# Altium PCB RcMPPT-SCC.PcbDoc (part 1 of 2)
Units mm, origin at the board's own origin, x right, y up, seen from the top; angles counter-clockwise.
Board outline 99.06 x 55.88 mm, 4 copper layers (Top Layer, Mid Layer 1, Mid Layer 2, Bottom Layer), stack 1.531 mm thick; 116 components, 88 nets, 523 pads, 348 vias.
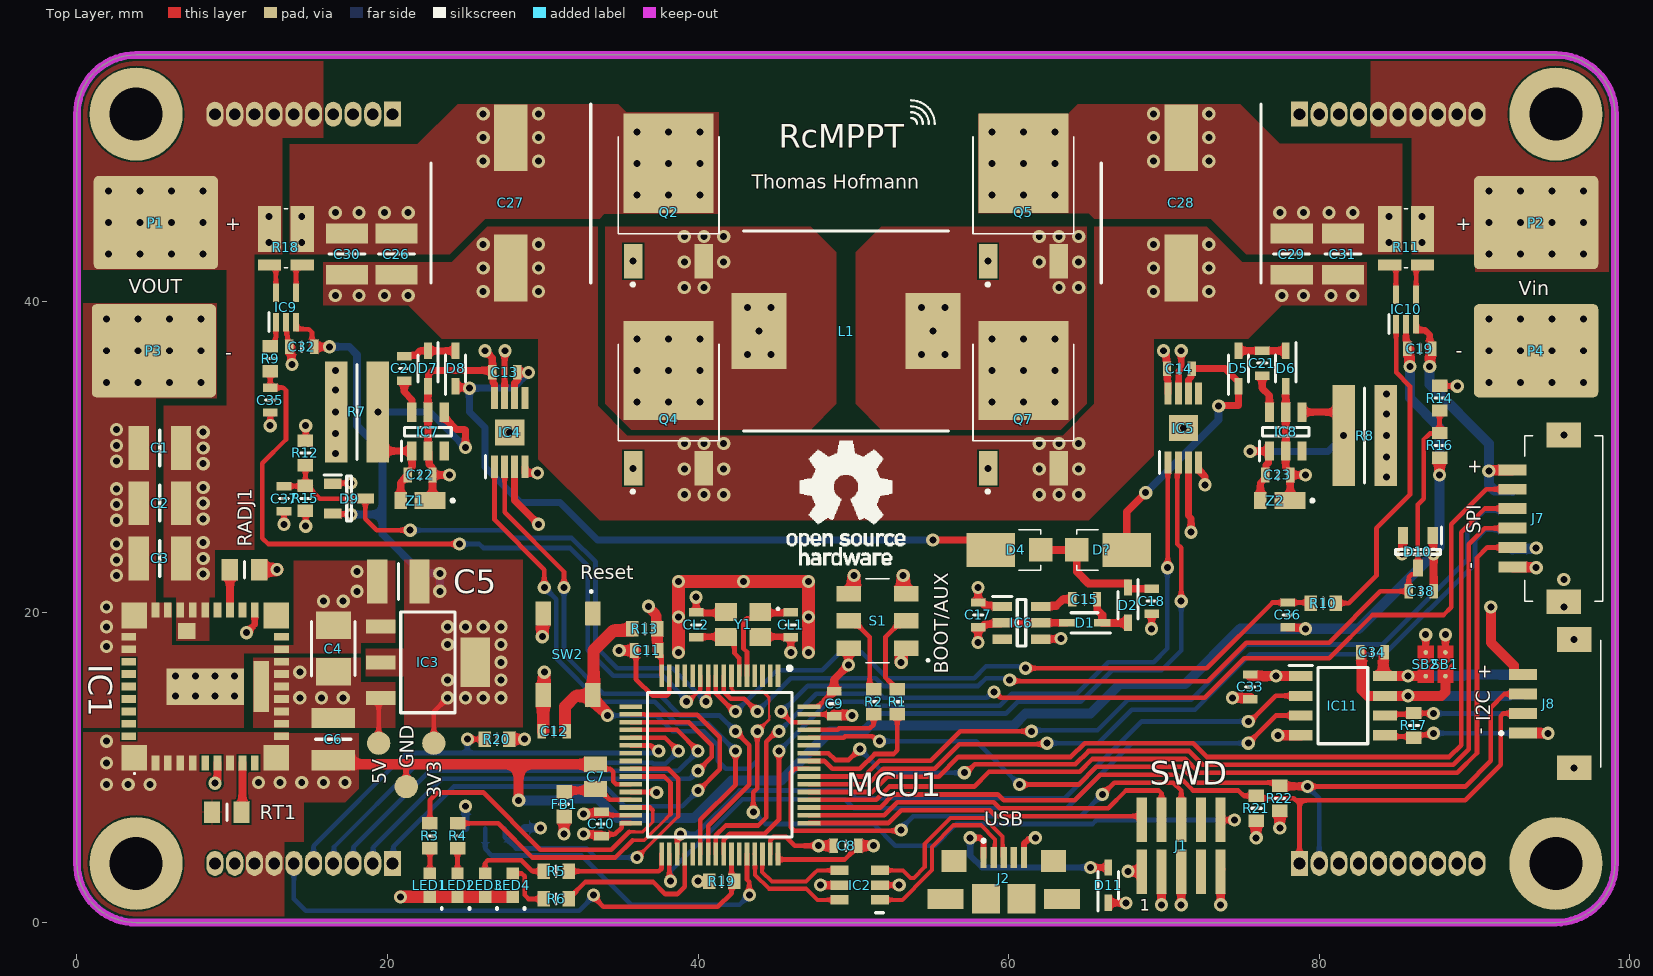
[diagram p0: Top Layer view]
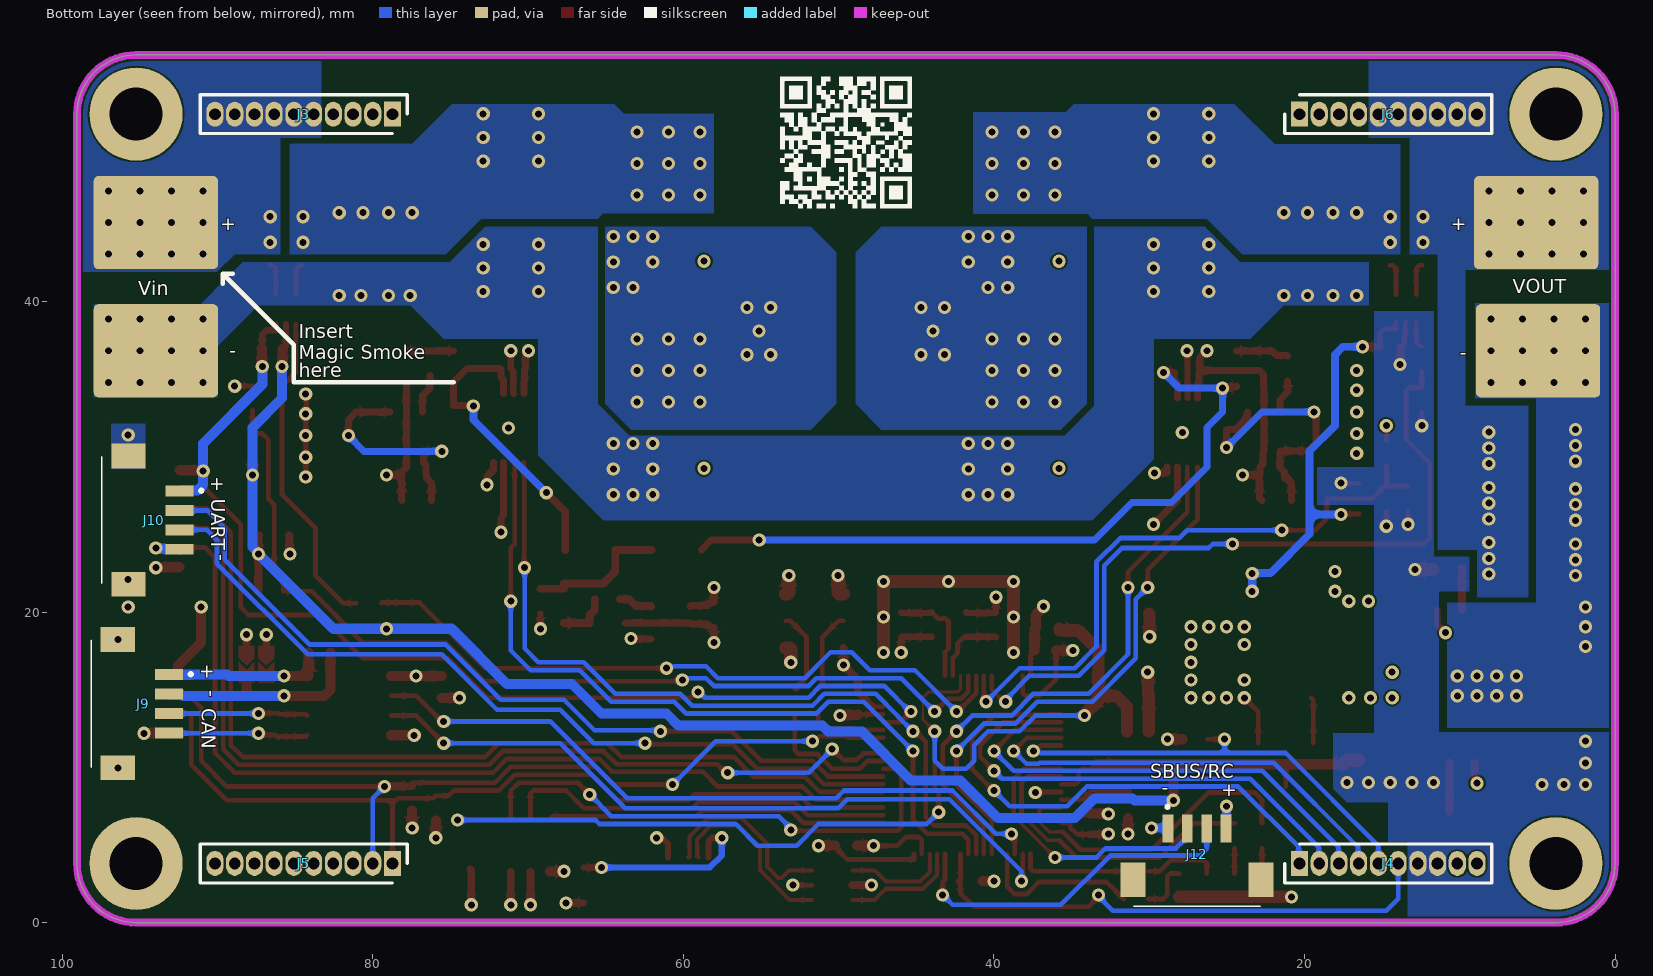
[diagram p1: Bottom Layer view, seen from below]
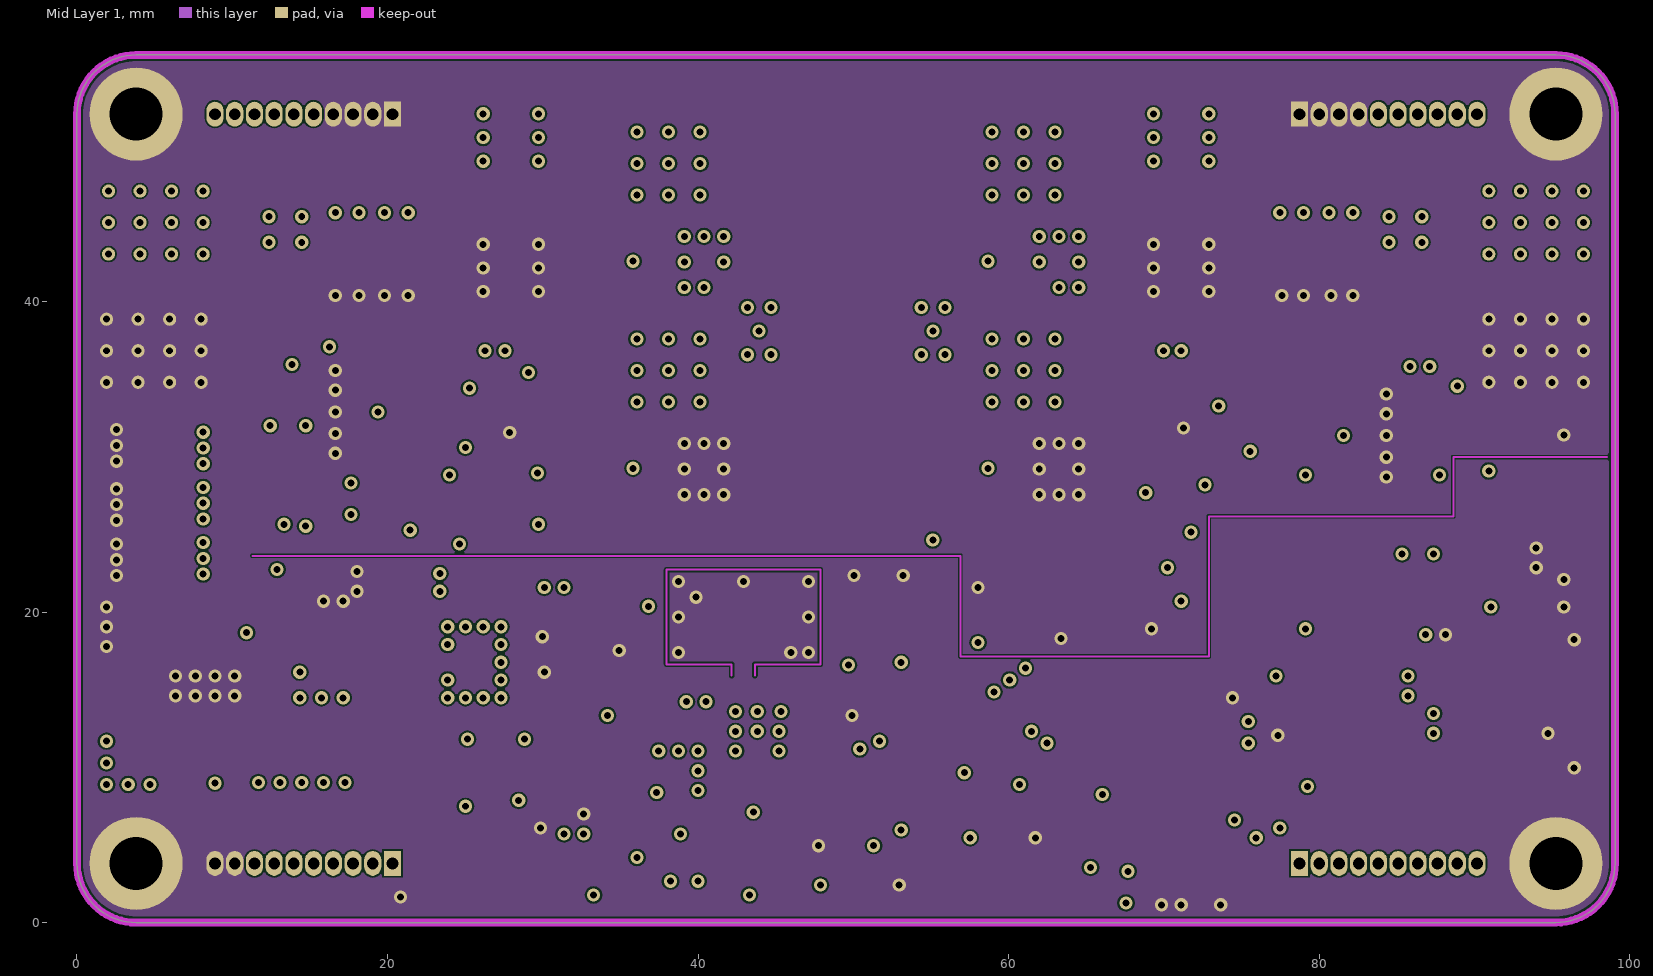
[diagram p2: Mid Layer 1]
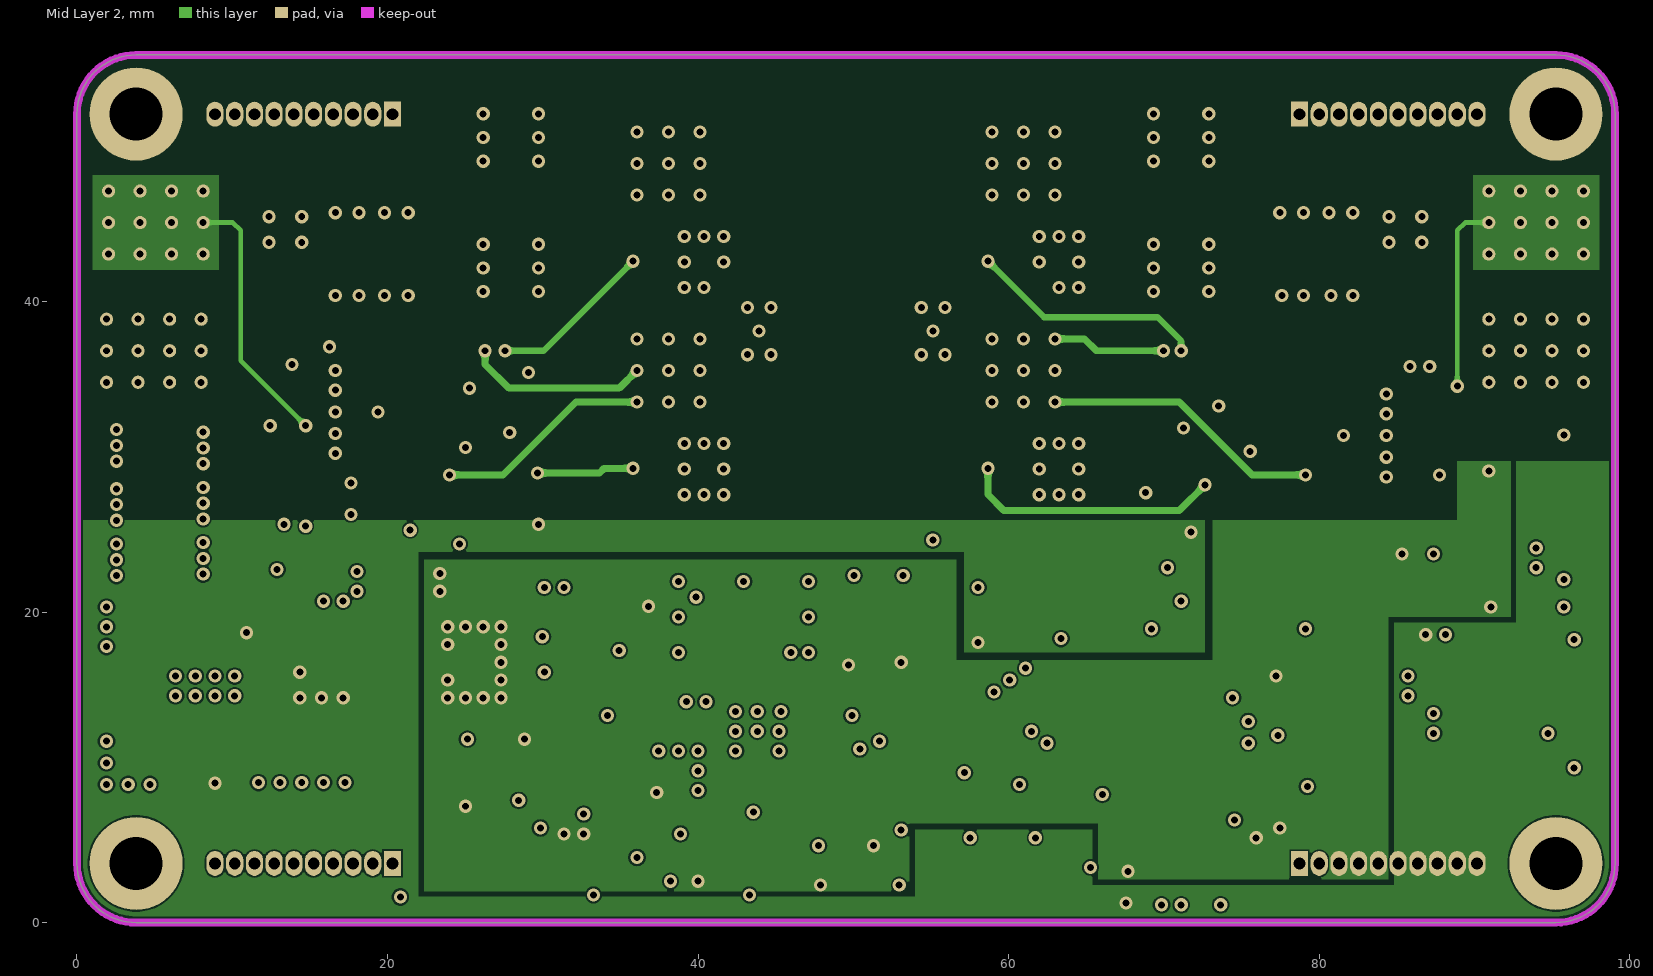
[diagram p3: Mid Layer 2]
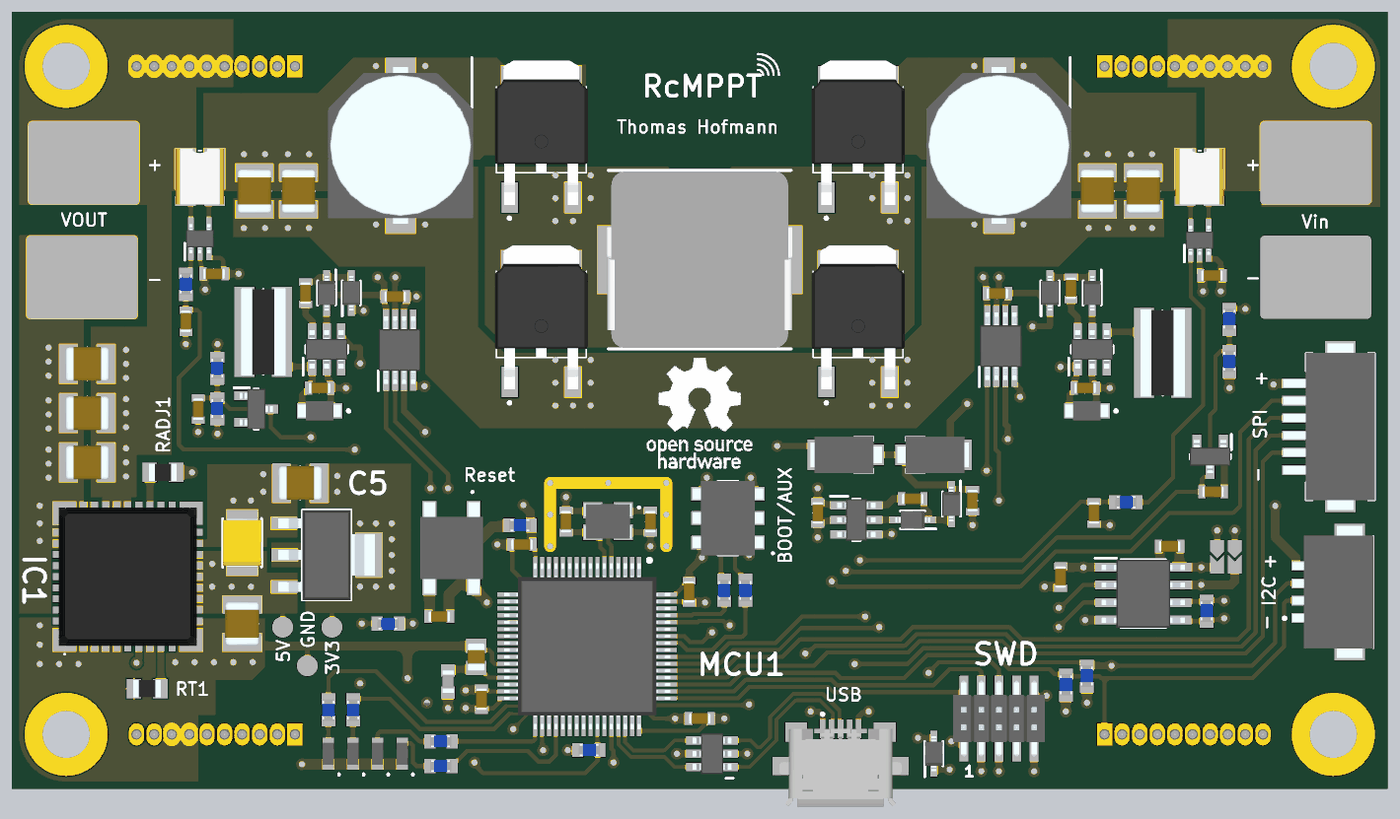
[diagram p5: 3D render of the assembled board from above, using the file's embedded part models]
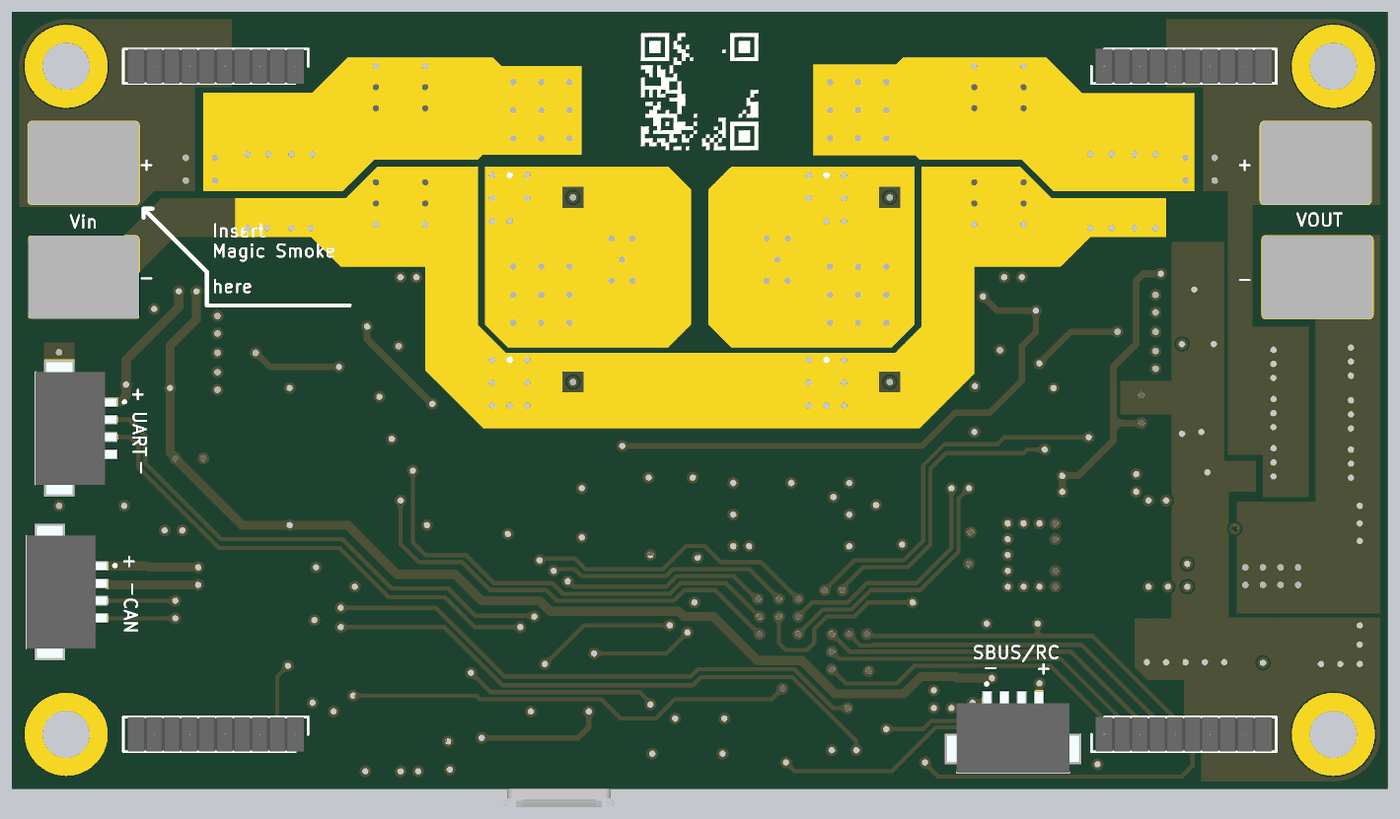
[diagram p6: 3D render of the assembled board from below, using the file's embedded part models]

## Layer stack, top to bottom
Top Solder: solder mask 0.0127, Solder Resist, Dk 3.8
Top Layer: signal copper 0.035
Dielectric 1: prepreg 0.1803, 7628, Dk 4.6
Mid Layer 1: signal copper 0.0175
Core: core 1.065, FR-4, Dk 4.5
Mid Layer 2: signal copper 0.0175
Dielectric 2: prepreg 0.1803, 7628, Dk 4.6
Bottom Layer: signal copper 0.035
Bottom Solder: solder mask 0.0127, Solder Resist, Dk 3.8

## Board outline
0,3.81 ccw(c3.81,3.81) 3.81,0 95.25,0 ccw(c95.25,3.81) 99.06,3.81 99.06,52.07 ccw(c95.25,52.07) 95.25,55.88 3.81,55.88 ccw(c3.81,52.07) 0,52.07

## Design rules (kind name [scope] priority, off if disabled: settings)
AcuteAngle [All] p1: minimum=6.00000000000000E+0001 checktracksonly=FALSE
BoardOutlineClearance [All] p1: gap=0.4 ignorepadtopadclearanceinfootprint=FALSE
Clearance [All] p1: gap=0.102 ignorepadtopadclearanceinfootprint=FALSE except(0.127: Arc-Arc Arc-Track Track-Track SMDPad-SMDPad SMDPad-Via THPad-Via Via-Fill Via-Poly Via-Region Via-Text; 0.2: Arc-SMDPad Track-SMDPad; 0.25: Arc-Hole Track-Hole SMDPad-Hole THPad-Hole Via-Hole Fill-Hole Poly-Hole Region-Hole Text-Hole; 0.254: Arc-Via Track-Via Via-Via; 0.33: Arc-THPad Track-THPad)
ComponentClearance [All] p1: gap=0.102 collisioncheckmode=3 verticalgap=0.102 showdistances=TRUE
DiffPairsRouting "Schematic Differential Pairs Routing_3" [InNet('USB-D_P')] p1: maxlimit=0.254 minlimit=0.203 mostfreqgap=0.254 toplayer_maxgap=0.203 toplayer_prefgap=0.203 toplayer_minwidth=0.261 toplayer_maxwidth=0.261 toplayer_prefwidth=0.261 bottomlayer_maxgap=0.203 bottomlayer_prefgap=0.203 bottomlayer_minwidth=0.261 bottomlayer_maxwidth=0.261 bottomlayer_prefwidth=0.261 impedanceprofiledriven=TRUE impedanceprofileid={FED37976-4A96-4117-917E-B578259A096B} impedanceprofilevalue=90.000000 maxuncoupledlength=12.7
DiffPairsRouting "Schematic Differential Pairs Routing_2" [InNet('USB-Con-D_P')] p2: maxlimit=0.254 minlimit=0.203 mostfreqgap=0.254 toplayer_maxgap=0.203 toplayer_prefgap=0.203 toplayer_minwidth=0.261 toplayer_maxwidth=0.261 toplayer_prefwidth=0.261 bottomlayer_maxgap=0.203 bottomlayer_prefgap=0.203 bottomlayer_minwidth=0.261 bottomlayer_maxwidth=0.261 bottomlayer_prefwidth=0.261 impedanceprofiledriven=TRUE impedanceprofileid={FED37976-4A96-4117-917E-B578259A096B} impedanceprofilevalue=90.000000 maxuncoupledlength=12.7
DiffPairsRouting [All] p3: maxlimit=0.102 minlimit=0.102 mostfreqgap=0.102 toplayer_minwidth=0.102 toplayer_maxwidth=1816.048 toplayer_prefwidth=0.102 midlayer1_minwidth=0.102 midlayer1_maxwidth=1816.048 midlayer1_prefwidth=0.102 midlayer2_minwidth=0.102 midlayer2_maxwidth=1816.048 midlayer2_prefwidth=0.102 bottomlayer_minwidth=0.102 bottomlayer_maxwidth=1816.048 bottomlayer_prefwidth=0.102 maxuncoupledlength=12.7
Height [All] p1: minheight=0 maxheight=1816.048 prefheight=12.7
HoleSize [All] p1: absolutevalues=TRUE maxlimit=6.3 minlimit=0.45 maxpercent=80.000 minpercent=20.000
HoleToHoleClearance [All] p1: gap=0.5 allowstackedmicrovias=FALSE
MinimumAnnularRing [All] p1: minimumring=0.13
MinimumSolderMaskSliver [All] p1: minsoldermaskwidth=0.1
PlaneClearance [All] p1: clearance=0.102
PlaneConnect PlaneConnectPowerPads [InPadClass('PowerPads')] p1: planeconnectstyle=Direct reliefexpansion=0.508 reliefentries=4 reliefconductorwidth=0.254 reliefairgap=0.254
PlaneConnect [All] p2: pad.planeconnectstyle=Relief pad.reliefexpansion=0.3 pad.reliefentries=4 pad.reliefconductorwidth=0.102 pad.reliefairgap=0.102 via.planeconnectstyle=Direct via.reliefexpansion=0.3 via.reliefentries=4 via.reliefconductorwidth=0.127 via.reliefairgap=0.127
PolygonConnect PolygonConnectPowerPads [All vs (InPadClass('PowerPads'))] p1: connectstyle=Direct reliefconductorwidth=0.254 reliefentries=4 polygonreliefangle="90 Angle" airgapwidth=0.254
PolygonConnect [All] p2: thpad.connectstyle=Relief thpad.reliefconductorwidth=0.102 thpad.reliefentries=4 thpad.polygonreliefangle="90 Angle" thpad.airgapwidth=0.102 smdpad.connectstyle=Relief smdpad.reliefconductorwidth=0.102 smdpad.reliefentries=4 smdpad.polygonreliefangle="90 Angle" smdpad.airgapwidth=0.102 via.connectstyle=Direct via.reliefconductorwidth=0.127 via.reliefentries=4 via.polygonreliefangle="90 Angle" via.airgapwidth=0.127
RoutingVias [All] p1: holewidth=0.45 width=0.85 viastyle="Through Hole" minholewidth=0.45 minwidth=0.85 maxholewidth=6.3 maxwidth=6.55
SilkToSilkClearance [All] p1: silktosilkclearance=0
SilkToSolderMaskClearance [IsPad] p1: minsilkscreentomaskgap=0.15 clearancetoexposedcopper=TRUE
SolderMaskExpansion "SolderMaskExpansion Vias" [IsVia] p1: expansion=0.102 istentingtop=TRUE
SolderMaskExpansion [All] p2: expansion=0.05 istentingtop=FALSE
Width [All] p1: maxlimit=50 minlimit=0.102 preferedwidth=0.3 midlayer1_minwidth=0.127 midlayer2_minwidth=0.127 minimp=50.000000 maximp=50.000000 favimp=50.000000
20 further rules are at their usual default settings.

## Classes and differential pairs
component class RcMPPT-IO: C33 C34 IC11 J3 J4 J5 J6 J7 J8 J9 J10 J12 R17 R19 R20 R21 R22 SB1 SB2
component class RcMPPT-DCDC: C13 C14 C15 C17 C18 C19 C20 C21 C22 C23 C26 C27 C28 C29 C30 C31 C32 C35 C36 C37 C38 D1 D2 D4 D5 D6 D7 D8 D9 D10 D? IC4 IC5 IC6 IC7 IC8 IC9 IC10 L1 P1 P2 P3 P4 Q2 Q4 Q5 Q7 R7 R8 R9 R10 R11 R12 R14 R15 R16 R18 Z1 Z2
component class RcMPPT-MCU: C7 C8 C9 C10 C11 C12 CL1 CL2 D11 FB1 IC2 J1 J2 LED1 LED2 LED3 LED4 MCU1 R1 R2 R3 R4 R5 R6 R13 S1 SW2 Y1
component class RcMPPT-Power_Module: C1 C2 C3 C4 C5 C6 IC1 IC3 RADJ1 RT1
differential pair USB-Con-D: +USB-Con-D_P -USB-Con-D_N
differential pair USB-D: +USB-D_P -USB-D_N

## Components (designator, comment, footprint, x,y, rotation, side; value= is the part's Value field where it differs from the comment)
C1 "10uF" CAPC3225X280N 5.334,30.57 r180 top
C2 "10uF" CAPC3225X280N 5.334,27.014 r180 top
C3 "10uF" CAPC3225X280N 5.334,23.458 r180 top
C4 "100uF" CAPPM3528X200N 16.51,17.653 r90 top
C5 "10uF" CAPC3225X280N 20.701,21.971 r180 top
C6 "10uF" CAPC3225X280N 16.51,11.811 r270 top
C7 "10nF" CAPC2012X88N 33.401,9.398 r90 top
C8 "100nF" CAPC1608X97N 49.53,4.953 r180 top
C9 "100nF" CAPC1608X97N 48.768,14.097 r270 top
C10 "100nF" CAPC1608X97N 33.782,6.35 r90 top
C11 "100nF" CAPC1608X97N 36.703,17.526 r180 top
C12 "100nF" CAPC1608X97N 30.734,12.319 r180 top
C13 "C1608X5R1E335K080AC" CAPC1608X90N 27.559,35.433 r180 top
C14 "C1608X5R1E335K080AC" CAPC1608X90N 71.005,35.662 r180 top
C15 "C1608X5R1E335K080AC" CAPC1608X90N 64.897,20.828 r0 top
C17 "C1608X5R1E335K080AC" CAPC1608X90N 58.039,19.812 r90 top
C18 "C1608X5R1E335K080AC" CAPC1608X90N 69.215,20.701 r270 top
C19 "100nF" CAPC1608X97N 86.487,36.957 r180 top
C20 "C1608X5R1E335K080AC" CAPC1608X90N 21.082,35.687 r90 top
C21 "C1608X5R1E335K080AC" CAPC1608X90N 76.327,36.03 r90 top
C22 "C1608X5R1E335K080AC" CAPC1608X90N 22.098,28.829 r180 top
C23 "C1608X5R1E335K080AC" CAPC1608X90N 77.343,28.829 r180 top
C26 "GRM32EC72A106KE05L" CAPC3225X270N 20.574,43.053 r270 top
C27 "UUX2A470MNL1GS" CAPAE1030X1050N 27.94,46.355 r270 top locked
C28 "UUX2A470MNL1GS" CAPAE1030X1050N 71.12,46.355 r270 top locked
C29 "GRM32EC72A106KE05L" CAPC3225X270N 78.232,43.053 r270 top
C30 "GRM32EC72A106KE05L" CAPC3225X270N 17.399,43.053 r270 top
C31 "GRM32EC72A106KE05L" CAPC3225X270N 81.534,43.053 r270 top
C32 "100nF" CAPC1608X97N 14.478,37.084 r180 top
C33 "100nF" CAPC1608X97N 75.565,15.175 r270 top
C34 "100nF" CAPC1608X97N 83.439,17.399 r0 top
C35 "1nF" CAPC1608X90N 12.446,33.655 r90 top
C36 "1nF" CAPC1608X90N 77.978,19.812 r90 top
C37 "1nF" CAPC1608X90N 13.335,27.305 r90 top
C38 "1nF" CAPC1608X90N 86.576,21.336 r180 top
CL1 "4pF" CAPC1608X90N 45.974,19.177 r90 top
CL2 "4pF" CAPC1608X90N 39.878,19.177 r270 top
D1 "BAS3010A03WE6327HTSA1" SOD2513X110N 64.897,19.304 r180 top
D2 "BAS3010A03WE6327HTSA1" SOD2513X110N 67.691,20.447 r270 top
D4 "V8PAM10S-M3_H" V8PAM10SHM3H 59.944,24.003 r0 top
D5 "BAS3010A03WE6327HTSA1" SOD2513X110N 74.803,35.687 r90 top
D6 "BAS3010A03WE6327HTSA1" SOD2513X110N 77.851,35.687 r270 top
D7 "BAS3010A03WE6327HTSA1" SOD2513X110N 22.606,35.687 r270 top
D8 "BAS3010A03WE6327HTSA1" SOD2513X110N 24.384,35.687 r90 top
D9 "BAT54SQ-7-F" SOT96P240X110-3N 17.526,27.305 r0 top
D10 "BAT54SQ-7-F" SOT96P240X110-3N 86.36,23.876 r270 top
D11 "BAS3010A03WE6327HTSA1" SOD2513X110N 66.421,2.413 r90 top
D? "V8PAM10S-M3_H" V8PAM10SHM3H 66.514,24.003 r180 top
FB1 "220 Ohm" BEADC1608X75N 31.369,7.62 r90 top
IC1 "LMZ36002RVQT" LMZ36002RVQR 8.255,15.203 r0 top locked
IC2 "USBLC6-2SC6" SOT95P280X145-6N 50.419,2.413 r180 top
IC3 "AP2114H-3.3TRG1" SOT230P700X180-4N 22.606,16.764 r0 top
IC4 "LTC4444EMS8E-5#PBF" SOP65P490X110-9N 27.869,31.57 r90 top
IC5 "LTC4444EMS8E-5#PBF" SOP65P490X110-9N 71.259,31.852 r90 top
IC6 "NCP1729SN35T1G" SOT105P275X110-6N 60.833,19.304 r0 top
IC7 "NCP1729SN35T1G" SOT105P275X110-6N 22.606,31.623 r90 top
IC8 "NCP1729SN35T1G" SOT105P275X110-6N 77.851,31.623 r90 top
IC9 "INA290A2IDCKT" SOT65P210X110-5N 13.462,39.624 r90 top
IC10 "INA290A2IDCKT" SOT65P210X110-5N 85.598,39.497 r90 top